# Altium PCB MJVESC_MINI.PcbDoc (part 1 of 3) (continued)
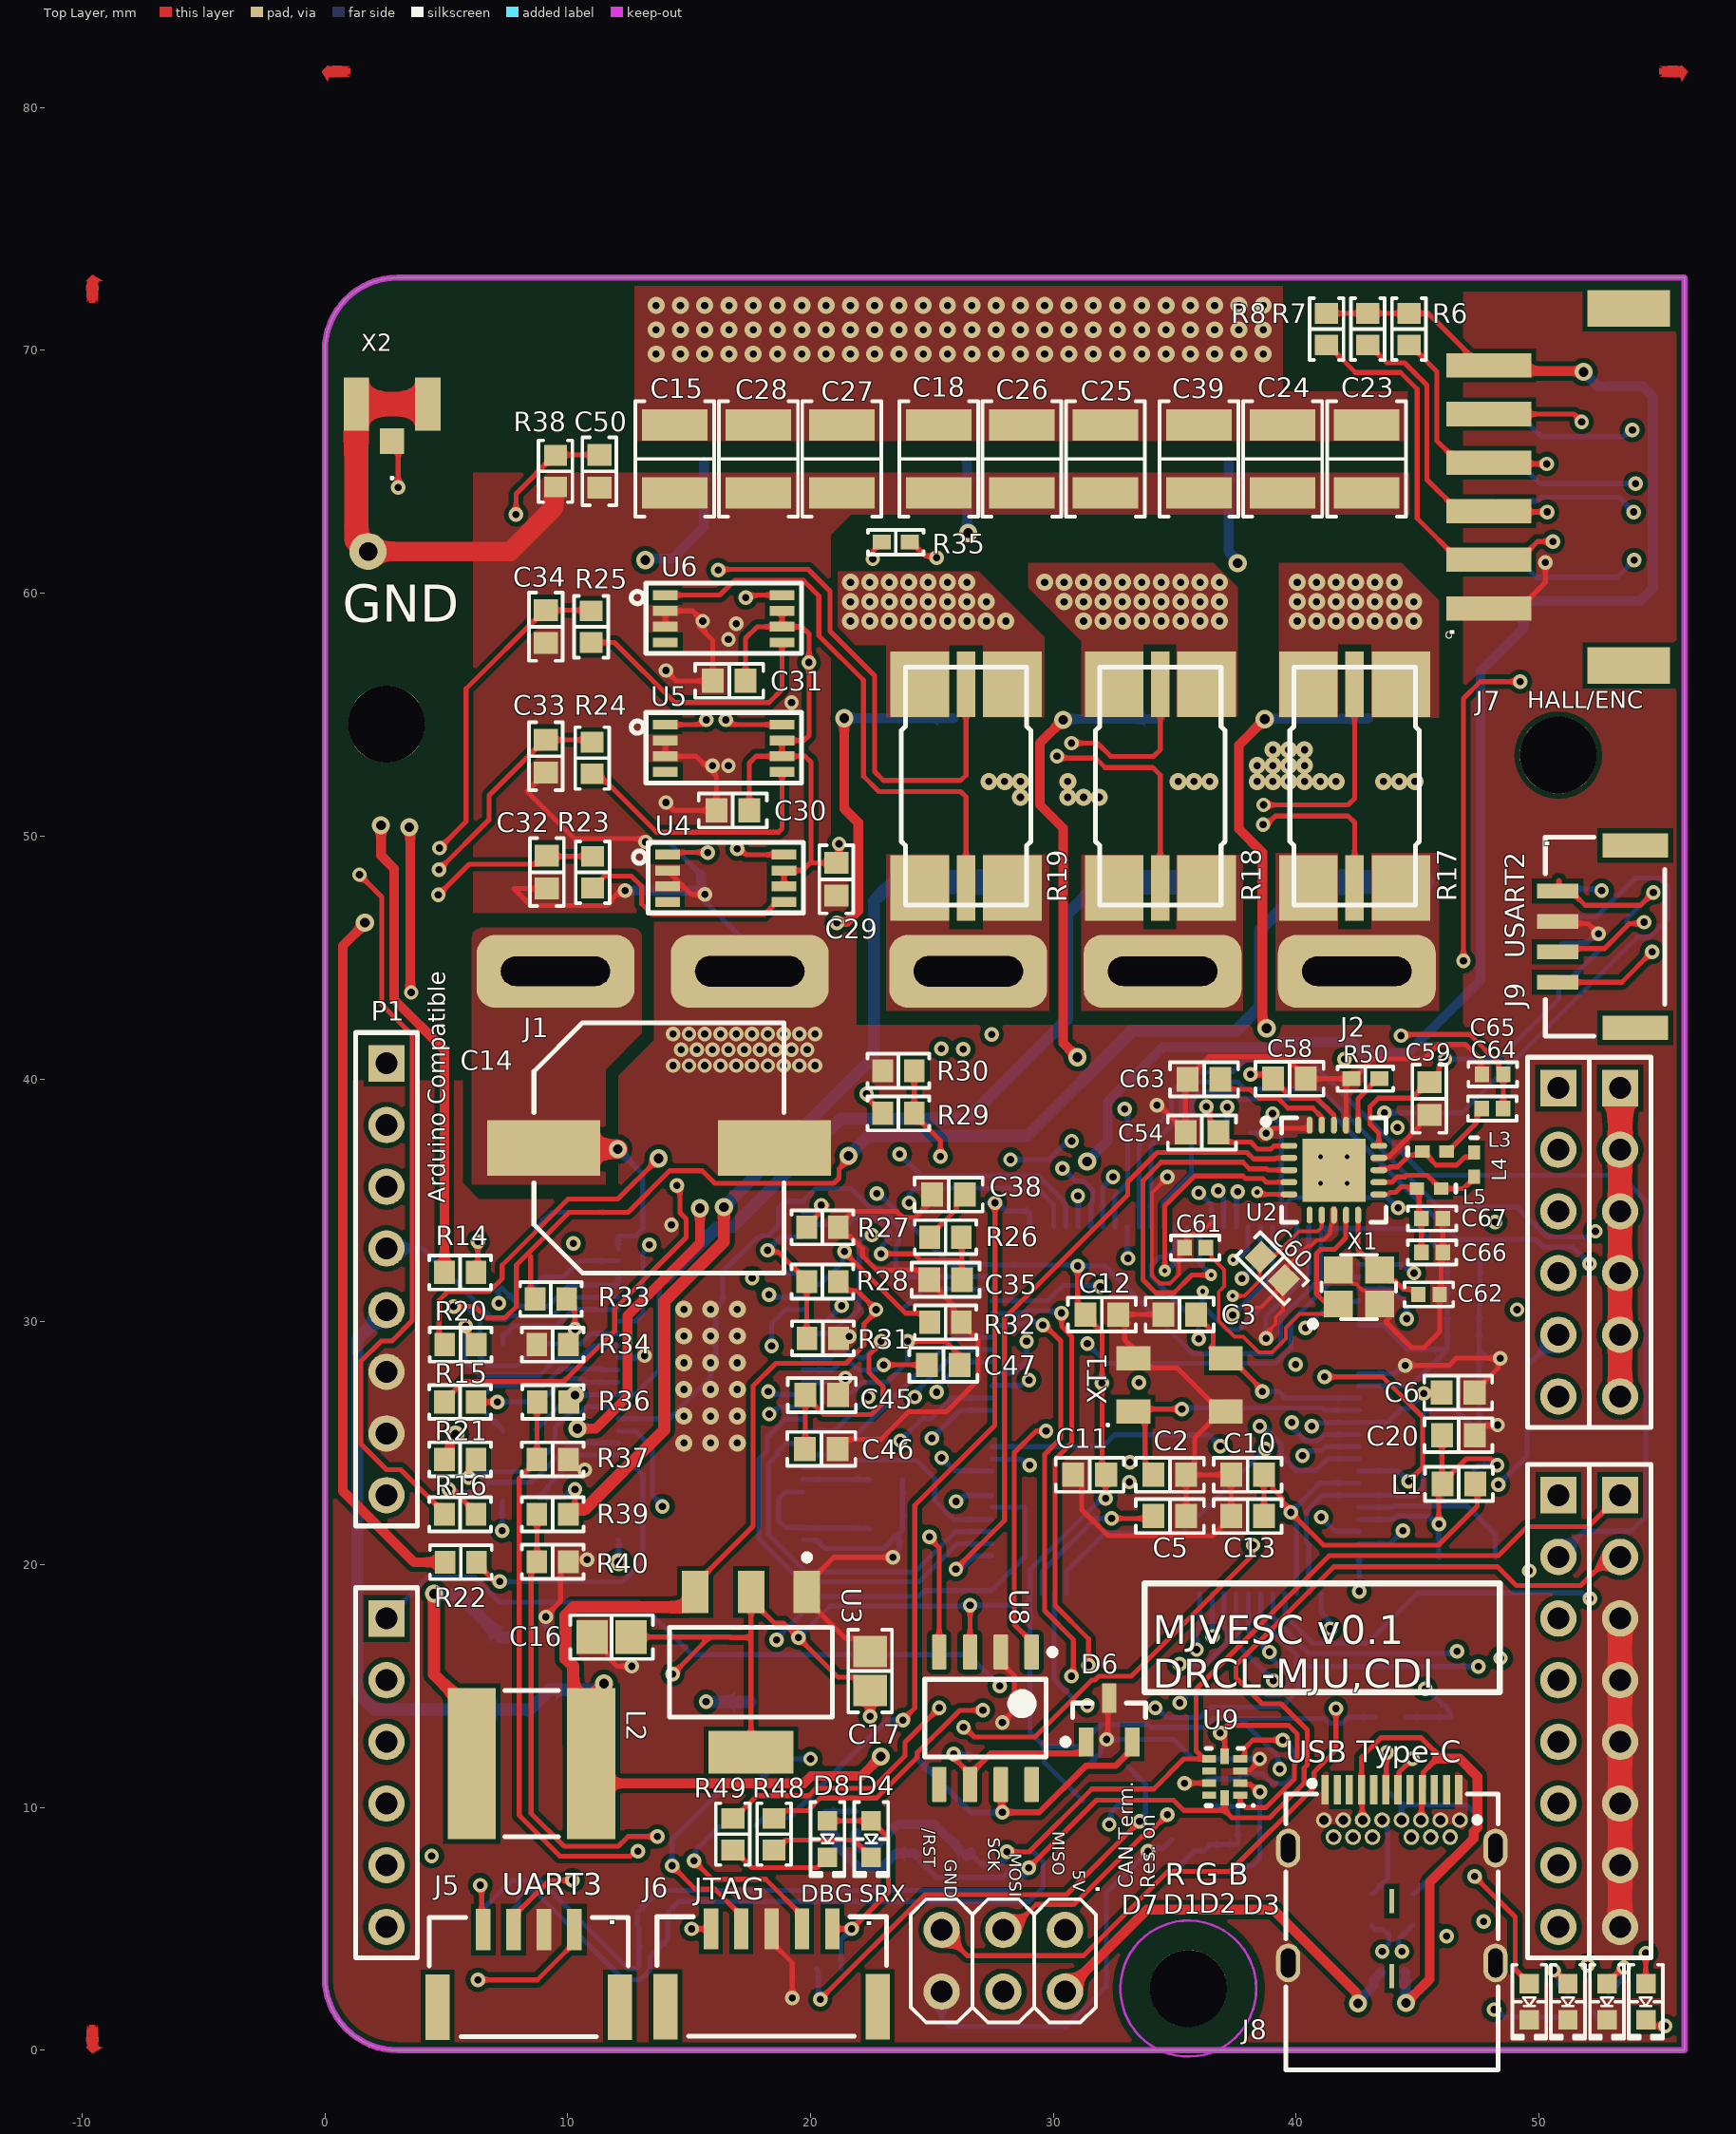
[diagram p0: Top Layer view]
## Components (designator, comment, footprint, x,y, rotation, side; value= is the part's Value field where it differs from the comment)
C1 "0.10µF" "CAP 0603/1608" 47.041,13.741 r180 bottom
C2 "10pF" "CAP 0603/1608" 34.8,23.7 r0 top
C3 "10pF" "CAP 0603/1608" 35.2,30.3 r180 top
C4 "2.2µF" "CAP 0603/1608" 23.9,31.3 r270 bottom
C5 "2.2µF" "CAP 0603/1608" 34.8,22 r180 top
C6 "0.10µF" "CAP 0603/1608" 46.674,27.082 r180 top
C7 "0.10µF" "CAP 0603/1608" 46.903,32.594 r180 bottom
C8 "0.10µF" "CAP 0603/1608" 46.903,30.663 r180 bottom
C9 "0.10µF" "CAP 0603/1608" 46.863,28.86 r180 bottom
C10 "0.10µF" "CAP 0603/1608" 38,23.7 r0 top
C11 "0.10µF" "CAP 0603/1608" 31.5,23.7 r180 top
C12 "0.10µF" "CAP 0603/1608" 32,30.3 r0 top
C13 "0.10µF" "CAP 0603/1608" 38,22 r180 top
C14 "EEE-FK1J101P" "CAP ALUM 10.3MM" 13.76,37.16 r0 top value=100uF
C15 "4.7uF_100V" "CAP 1210/3225 - 2.0MM" 14.409,65.529 r90 top
C16 "4.7uF" "CAP 0805/2012" 11.811,17.018 r0 top
C17 "4.7uF" "CAP 0805/2012" 22.454,15.621 r270 top
C18 "4.7uF_100V" "CAP 1210/3225 - 2.0MM" 25.285,65.529 r90 top
C19 "1uF" CAPMP3217X18-T_V 45.9,19 r270 bottom
C20 "0.10µF" "CAP 0603/1608" 46.689,25.329 r0 top
C21 "1uF" CAPMP3217X18-T_V 48.2,19 r270 bottom
C22 "0.10µF" "CAP 0603/1608" 46.66,25.578 r0 bottom
C23 "4.7uF_100V" "CAP 1210/3225 - 2.0MM" 42.9,65.529 r90 top
C24 "4.7uF_100V" "CAP 1210/3225 - 2.0MM" 39.446,65.529 r90 top
C25 "4.7uF_100V" "CAP 1210/3225 - 2.0MM" 32.145,65.529 r90 top
C26 "4.7uF_100V" "CAP 1210/3225 - 2.0MM" 28.702,65.529 r90 top
C27 "4.7uF_100V" "CAP 1210/3225 - 2.0MM" 21.285,65.529 r90 top
C28 "4.7uF_100V" "CAP 1210/3225 - 2.0MM" 17.856,65.529 r90 top
C29 "2.2µF" "CAP 0603/1608" 21.062,48.22 r90 top
C30 "2.2µF" "CAP 0603/1608" 16.8,51.06 r0 top
C31 "2.2µF" "CAP 0603/1608" 16.654,56.394 r0 top
C32 "4.7nF" "CAP 0603/1608" 9.143,48.514 r270 top
C33 "4.7nF" "CAP 0603/1608" 9.1,53.289 r270 top
C34 "4.7nF" "CAP 0603/1608" 9.1,58.623 r270 top
C35 "120pF" "CAP 0603/1608" 25.562,31.732 r180 top
C36 "15nF" "CAP 0603/1608" 8.001,33.782 r0 bottom
C37 "4.7uF_100V" "CAP 1210/3225 - 2.0MM" 8.712,37.084 r0 bottom
C38 "6.8nF" "CAP 0603/1608" 25.689,35.237 r180 top
C39 "4.7uF_100V" "CAP 1210/3225 - 2.0MM" 36,65.529 r90 top
C40 "0.10µF" "CAP 0603/1608" 7.956,31.452 r0 bottom
C41 "TAJC107K016RNJ" AVX-TAJ-C-2_M 8.3,11.2 r270 bottom
C42 "2.2µF" "CAP 0603/1608" 11.8,10.2 r90 bottom
C43 "220nF" "CAP 0603/1608" 8,29 r180 bottom
C44 "220nF" "CAP 0603/1608" 8,25.5 r180 bottom
C45 "2.2µF" "CAP 0603/1608" 20.468,26.982 r180 top
C46 "2.2µF" "CAP 0603/1608" 20.447,24.765 r180 top
C47 "0.022µF" "CAP 0603/1608" 25.475,28.226 r0 top
C48 "220nF" "CAP 0603/1608" 7.996,22.588 r180 bottom
C49 "2.2µF" "CAP 0603/1608" 23.114,23.495 r180 bottom
C50 "2.2µF" "CAP 0603/1608" 11.303,65.024 r90 top
C51 "2.2µF" "CAP 0603/1608" 23.114,21.463 r180 bottom
C52 "4.7uF_100V" "CAP 1210/3225 - 2.0MM" 18.923,14.351 r180 bottom
C53 "100pF" "CAP 0402/1005" 20.6,9.4 r270 bottom
C54 "0.1uF" "CAP 0603/1608" 36.119,37.795 r0 top
C55 "4.7nF" "CAP 0603/1608" 34.883,8.001 r90 bottom
C56 "2.2µF" "CAP 0603/1608" 31.27,10.947 r270 bottom
C57 "100pF" "CAP 0402/1005" 21.9,9.4 r90 bottom
C58 "0.1uF" "CAP 0603/1608" 39.73,40.009 r0 top
C59 "0.1uF" "CAP 0603/1608" 45.487,39.186 r270 top
C60 "0.1uF" "CAP 0603/1608" 39.014,32.195 r315 top
C61 "15pF" "CAP 0402/1005" 35.844,33.045 r180 top
C62 "15pF" "CAP 0402/1005" 45.471,31.124 r0 top
C63 "0.1uF" "CAP 0603/1608" 36.21,39.984 r180 top
C64 "1.5pF" "CAP 0402/1005" 48.078,38.784 r180 top
C65 "1.0pF" "CAP 0402/1005" 48.095,40.189 r180 top
C66 "2.2nF" "CAP 0402/1005" 45.598,32.851 r180 top
C67 "4.7pF" "CAP 0402/1005" 45.598,34.255 r180 top
D1 "Red" "LED 0603/1608 RED" 51.192,2 r270 top
D2 "Green" "LED 0603/1608 GREEN" 52.8,2 r270 top
D3 "Blue" "LED 0603/1608 BLUE" 54.4,2 r270 top
D4 "Blue" "LED 0603/1608 BLUE" 22.5,8.7 r270 top
D5 "Rectifier Diode" DIOM2717X10N 8.65,17 r0 bottom
D6 "Bidirectional Symmetric TVS" SOT23-3L 32.3,13.6 r90 top
D7 "Red" "LED 0603/1608 RED" 49.6,2 r270 top
D8 "Green" "LED 0603/1608 GREEN" 20.7,8.7 r270 top
GND "TESTPOINT" TestPin 1.778,61.722 r90 top
J1 "POWER" "PowerPole_2Pin - mirror" 9.5,44.434 r0 top
J2 "MOTOR" PowerPole_3Pin 27,44.434 r0 top
J3 "CAN" "JST SM02B-GHS-TB" 7,3.25 r0 bottom
J4 "CAN" "JST SM02B-GHS-TB" 13.5,3.25 r0 bottom
J5 "USART3" "JST SM04B-GHS-TB" 8.4,3.1 r180 top
J6 "JTAG/SWD" "JST SM05B-GHS-TB" 18.4,3.125 r180 top
J7 "HALL/ENC" JST_S6B-PH-SM4-TB 47.941,64.379 r270 top
J8 "USB Type-C" 632723300011 43.942,5.093 r0 top
J9 "USART2" "JST SM04B-GHS-TB" 52.64,45.86 r270 top
J10 "I2C/UART3" "JST SM04B-GHS-TB" 52.684,46.051 r90 bottom
J11 "HW SPI" JST_S6B-PH-SM4-TB 47.9,64.4 r90 bottom
L1 "Ferrite Beads 600ohm" "FER 0603/1608" 46.7,23.323 r0 top value=10mH
L2 "22uH" INDC6060X28N 8.509,11.811 r0 top
L3 "3.9nH" 0402-A 45.692,37.008 r0 top
L4 "8.2nH" 0402-A 47.333,36.473 r270 top
L5 "2.7nH" 0402-A 45.471,35.484 r180 top
P1 "arduino_icsp_added_samtec_v0.3" arduino_ICSP_Added_SAMTEC_v0.3 0,68.58 r0 top locked
Q1 "AUIRF7749L2TR" TRANS_IRL7472L1TRPBF 39.471,65.4 r0 bottom
Q2 "AUIRF7749L2TR" TRANS_IRL7472L1TRPBF 28.667,65.4 r0 bottom
Q3 "AUIRF7749L2TR" TRANS_IRL7472L1TRPBF 17.863,65.4 r0 bottom
Q4 "AUIRF7749L2TR" TRANS_IRL7472L1TRPBF 42.976,52.606 r270 bottom
Q5 "AUIRF7749L2TR" TRANS_IRL7472L1TRPBF 34.407,52.606 r270 bottom
Q6 "AUIRF7749L2TR" TRANS_IRL7472L1TRPBF 25.898,52.606 r270 bottom
R1 "220R" "RES 0603/1608" 51.2,1.7 r90 bottom
R2 "220R" "RES 0603/1608" 52.8,1.7 r90 bottom
R3 "10K" "RES 0603/1608" 43.891,13.726 r0 bottom
R4 "22R" "RES 0603/1608" 17.1,9.2 r0 bottom
R5 "22R" "RES 0603/1608" 17.1,10.9 r0 bottom
R6 "2k2" "RES 0603/1608" 44.65,70.876 r90 top
R7 "2k2" "RES 0603/1608" 42.95,70.876 r90 top
R8 "2k2" "RES 0603/1608" 41.25,70.876 r90 top
R9 "47K" "RES 0603/1608" 37.49,37.795 r180 bottom
R10 "22R" "RES 0603/1608" 43.1,5.8 r90 bottom
R11 "22R" "RES 0603/1608" 44.8,5.8 r90 bottom
R12 "1k" "RES 0603/1608" 54.4,1.7 r90 bottom
R13 "47R" "RES 0603/1608" 46.649,23.882 r180 bottom
R14 "4.7R" "RES 0603/1608" 5.573,32.029 r0 top
R15 "4.7R" "RES 0603/1608" 5.573,26.695 r0 top
R16 "4.7R" "RES 0603/1608" 5.573,22.073 r0 top
R17 "0.0005R" LRMAP3920B 42.408,52.062 r90 top
R18 "0.0005R" LRMAP3920B 34.407,52.062 r90 top
R19 "0.0005R" LRMAP3920B 26.406,52.062 r90 top
R20 "4.7R" "RES 0603/1608" 5.588,29.058 r0 top
R21 "4.7R" "RES 0603/1608" 5.573,24.333 r0 top
R22 "4.7R" "RES 0603/1608" 5.6,20.1 r0 top
R23 "100R" "RES 0603/1608" 11.029,48.514 r90 top
R24 "100R" "RES 0603/1608" 11.011,53.213 r90 top
R25 "100R" "RES 0603/1608" 10.969,58.623 r90 top
R26 "15k" "RES 0603/1608" 25.562,33.484 r180 top
R27 "220k" "RES 0603/1608" 20.493,33.891 r0 top
R28 "18k" "RES 0603/1608" 20.493,31.655 r180 top
R29 "39k" "RES 0603/1608" 23.622,38.583 r180 top
R30 "2k2" "RES 0603/1608" 23.622,40.335 r180 top
R31 "3.3k" "RES 0603/1608" 20.508,29.319 r0 top
R32 "10K" "RES 0603/1608" 25.562,29.979 r0 top
R33 "39k" "RES 0603/1608" 9.311,30.936 r180 top
R34 "2k2" "RES 0603/1608" 9.383,29.058 r180 top
R35 "NTC 10k" "RES 0402/1005" 23.513,62.103 r180 top
R36 "39k" "RES 0603/1608" 9.398,26.695 r0 top
R37 "2k2" "RES 0603/1608" 9.383,24.333 r0 top
R38 "10K" "RES 0603/1608" 9.499,65.024 r270 top
R39 "39k" "RES 0603/1608" 9.383,22.073 r0 top
R40 "2k2" "RES 0603/1608" 9.383,20.117 r0 top
R41 "120R" "RES 0402/1005" 37.6,7.9 r90 bottom
R42 "120R" "RES 0402/1005" 37.6,10.6 r90 bottom
R43 "1k" "RES 0603/1608" 33.02,11.034 r270 bottom
R44 "120R" "RES 0402/1005" 36.4,7.9 r90 bottom
R45 "120R" "RES 0402/1005" 36.383,10.6 r90 bottom
R48 "1k" "RES 0603/1608" 18.5,8.9 r90 top
R49 "1k" "RES 0603/1608" 16.8,8.9 r90 top
R50 "22K" "RES 0402/1005" 42.854,40.009 r0 top
S2 "SSAJ120100" SSAJ120100 20.25,2 r270 bottom
S3 "SSAJ120100" SSAJ120100 43.475,1.875 r270 bottom
T1 "Common Mode Choke" SRF4532-101Y 25.5,10.1 r270 bottom
U1 "STM32F407VGT6" STM-LQFP100_N 35.028,26.359 r180 bottom locked
U2 "NRF24L01P-T" NRSC-QFN-20_L 41.554,36.246 r0 top
U3 "3.3V" SOT-223-2 17.551,15.57 r180 top
U4 "AD8418BRMZ" MSOP-8L 16.51,48.26 r0 top
U5 "AD8418BRMZ" MSOP-8L 16.425,53.614 r0 top
U6 "AD8418BRMZ" MSOP-8L 16.425,58.948 r0 top
U7 "DRV8301" TSSOP50P810X120_HS-57N 15.885,27.762 r180 bottom
U8 "TCAN332GDR" D0008A_N 27.205,13.675 r270 top
U9 "TS5A23159" RSE10 37.06,11.25 r180 top
X1 "16MHz" BT-XTAL_2520 42.59,31.431 r0 top
X2 "50ohm, U.FL" uFL_SMT 2.77,67.793 r0 top
XT1 "8 MHz" DFN220P320X110-4N 35.2,27.4 r0 top

## Footprints (in the part's own frame and the unit in brackets; to place one, negate y for a bottom-side part, rotate by r counter-clockwise, add the part's x,y. Pads: shape width x height; smd on the part's side, far side on the other; paste and mask are expansions set on the pad)
0402-A [mm] "Chip Inductor, Body 1.0x0.5mm, IPC High Density"
  rect 0.6x0.5 smd: 1(-0.5,0) 2(0.5,0)
  silkscreen extent -1.1,-0.15 -1.1,0.15, body extent -0.55,-0.3 0.55,0.3, height 0.55
632723300011 [mm] "USB 3.1 Type C Receptacle Horizontal THR"
  rect 0.3x1.2 smd: A1(-2.75,5.635) A2(-2.25,5.635) A3(-1.75,5.635) A4(-1.25,5.635) A5(-0.75,5.635) A6(-0.25,5.635) A7(0.25,5.635) A8(0.75,5.635) A9(1.25,5.635) A10(1.75,5.635) A11(2.25,5.635) A12(2.75,5.635)
  round 0.65 hole 0.4: B1(2.8,4.385) B2(2.4,3.685) B3(1.6,3.685) B4(1.2,4.385) B5(0.8,3.685) B6(0.4,4.385) B7(-0.4,4.385) B8(-0.8,3.685) B9(-1.2,4.385) B10(-1.6,3.685) B11(-2.4,3.685) B12(-2.8,4.385) Shell(-2,4.385) Shell(2,4.385)
  oval 1x1.6 hole 0.6 slot 1.2 at 90 deg: Shell(-4.27,-1.495) Shell(-4.27,3.235) Shell(4.27,-1.495) Shell(4.27,3.235)
  rect 0.2x1 smd: ""(0,-2.045) ""(0,1.055)
  silkscreen extent -4.37,-5.89 4.37,6.01, body extent -4.37,-5.9 4.37,5.9, height 3.05
arduino_ICSP_Added_SAMTEC_v0.3 [mm]
  rect 1.5x1.5 hole 0.9: 0(2.54,-27.94) 8(2.54,-50.8) 21(50.8,-45.72) 27(50.8,-28.956) 28(53.34,-28.956) 34(53.34,-45.72)
  round 1.5 hole 0.9: 1(2.54,-30.48) 2(2.54,-33.02) 3(2.54,-35.56) 4(2.54,-38.1) 5(2.54,-40.64) 6(2.54,-43.18) 7(2.54,-45.72) 9(2.54,-53.34) 10(2.54,-55.88) 11(2.54,-58.42) 12(2.54,-60.96) 13(2.54,-63.5) 14(50.8,-63.5) 15(50.8,-60.96) 16(50.8,-58.42) 17(50.8,-55.88) 18(50.8,-53.34) 19(50.8,-50.8) 20(50.8,-48.26) 22(50.8,-41.656) 23(50.8,-39.116) 24(50.8,-36.576) 25(50.8,-34.036) 26(50.8,-31.496) 29(53.34,-31.496) 30(53.34,-34.036) 31(53.34,-36.576) 32(53.34,-39.116) 33(53.34,-41.656) 35(53.34,-48.26) 36(53.34,-50.8) 37(53.34,-53.34) 38(53.34,-55.88) 39(53.34,-58.42) 40(53.34,-60.96) 41(53.34,-63.5) 50(30.48,-63.627) 51(30.48,-66.167) 52(27.94,-63.627) 53(27.94,-66.167) 54(25.4,-63.627) 55(25.4,-66.167)
  round 3.175 hole 3.175 unplated: 100(2.54,-13.97) 100(35.56,-66.04) 100(50.8,-15.242)
  silkscreen extent 1.27,-67.44 54.61,-26.67, body extent 1.27,-67.44 54.61,-26.42, height 11.05
AVX-TAJ-C-2_M [mm] "Molded Capacitor, 2-Leads, Body 6.2x3.4mm, IPC Low Density"
  rect 2.85x2.45 smd: 1(-2.475,0) 2(2.475,0)
  silkscreen extent -4.4,-1.7 3.1,1.7, body extent -3.32,-1.7 3.32,1.7, height 2.8
BT-XTAL_2520 [mm]
  rect 1.2x1.1 smd: 1(-0.85,-0.7) 2(0.85,-0.7) 3(0.85,0.7) 4(-0.85,0.7)
  silkscreen extent -2.03,-1.65 1.53,1.32, body extent -1.25,-1 1.27,1, height 0.56
"CAP 0402/1005" [mm]
  rect 0.6x0.64 smd: 1(-0.44,0) 2(0.44,0)
  silkscreen extent -1,-0.5 1,0.5, body extent -0.5,-0.26 0.5,0.26, height 0.52
"CAP 0603/1608" [mm]
  rect 0.9x1 smd: 1(-0.675,0) 2(0.675,0)
  silkscreen extent -1.4,-0.7 1.4,0.7, body extent -0.8,-0.41 0.8,0.41, height 0.82
"CAP 0805/2012" [mm]
  rect 1.3x1.4 smd: 1(-0.8,0) 2(0.8,0)
  silkscreen extent -1.7,-0.9 1.7,0.9, body extent -1,-0.64 1,0.64, height 1.26
"CAP 1210/3225 - 2.0MM" [mm]
  rect 1.3x2.7 smd: 1(-1.4,0) 2(1.4,0)
  silkscreen extent -2.37,-1.63 2.38,1.62, body extent -1.6,-1.25 1.6,1.25, height 2
"CAP ALUM 10.3MM" [mm]
  rect 4.65x2.3 smd: 1(-4.75,0) 2(4.75,0)
  silkscreen extent -5.15,-5.15 5.15,5.15, body extent -5.8,-5.15 5.8,5.15, height 10.5
CAPMP3217X18-T_V [mm] "Molded Capacitor, 2-Leads, Body 3.40x1.8mm"
  rect 1.4x1.8 smd: 1(-1.3,0) 2(1.3,0)
  silkscreen extent -2.45,-0.9 0.2,0.95, body extent -1.92,-0.9 1.92,0.9, height 1.8
D0008A_N [mm]
  rrect17% 1.45x0.6 smd: 1(-2.725,1.905) 2(-2.725,0.635) 3(-2.725,-0.635) 4(-2.725,-1.905) 5(2.725,-1.905) 6(2.725,-0.635) 7(2.725,0.635) 8(2.725,1.905)
  silkscreen extent -2.85,-2.5 1.6,2.88, body extent -3,-2.45 3,2.45, height 1.63
DFN220P320X110-4N [mm]
  rect 1.4x1 smd: 1(-1.9,-1.1) 3(1.9,1.1) G(-1.9,1.1) G(1.9,-1.1)
  silkscreen extent -3,-1.7 -2.9,-1.6, body extent -2.55,-1.65 2.55,1.65, height 1.1
DIOM2717X10N [mm]
  rect 1.7x1 smd: A(1.05,0) K(-1.05,0)
  silkscreen extent -1.9,-0.95 1.45,0.95, body extent -1.45,-0.9 1.45,0.9, height 1
"FER 0603/1608" [mm]
  rect 0.9x1 smd: 1(-0.675,0) 2(0.675,0)
  silkscreen extent -1.4,-0.7 1.4,0.7, body extent -0.8,-0.41 0.8,0.41, height 0.82
INDC6060X28N [mm]
  rect 1.98x6.22 smd: 1(-2.46,0) 2(2.46,0)
  silkscreen extent -1.1,-3.01 1.1,3.01, body extent -3.1,-3.1 3.1,3.1, height 2.8
"JST SM02B-GHS-TB" [mm]
  rect 0.6x1.7 smd: 1(-0.625,-1.875) 2(0.625,-1.875)
  rect 1x2.7 smd: M(-2.5,1.325) M(2.5,1.325)
  silkscreen extent -2.85,-2.38 2.85,2.54, body extent -2.87,-2.31 2.87,2.54, height 4.35
"JST SM04B-GHS-TB" [mm]
  rect 0.6x1.7 smd: 1(-1.875,-1.875) 2(-0.625,-1.875) 3(0.625,-1.875) 4(1.875,-1.875)
  rect 1x2.7 smd: M(-3.75,1.325) M(3.75,1.325)
  silkscreen extent -4.1,-2.38 4.1,2.54, body extent -4.12,-2.31 4.13,2.54, height 4.35
"JST SM05B-GHS-TB" [mm]
  rect 0.6x1.7 smd: 1(-2.5,-1.875) 2(-1.25,-1.875) 3(0,-1.875) 4(1.25,-1.875) 5(2.5,-1.875)
  rect 1x2.7 smd: M(-4.375,1.325) M(4.375,1.325)
  silkscreen extent -4.72,-2.37 4.72,2.54, body extent -4.75,-2.31 4.75,2.54, height 4.35
JST_S6B-PH-SM4-TB [mm]
  rect 1x3.5 smd: 1(5,0) 2(3,0) 3(1,0) 4(-1,0) 5(-3,0) 6(-5,0)
  rect 1.5x3.4 smd: P1(7.35,5.75) P2(-7.35,5.75)
  silkscreen extent 5.97,-1.78 6.22,-1.52, body extent -7.95,-1.35 7.95,7.25, height 4.8
"LED 0603/1608 BLUE" [mm]
  rect 0.8x0.8 smd: 1(-0.75,0) 2(0.75,0)
  silkscreen extent -1.52,-0.7 1.52,0.7, body extent -0.8,-0.4 0.8,0.4, height 0.53
"LED 0603/1608 GREEN" [mm]
  rect 0.8x0.8 smd: 1(-0.75,0) 2(0.75,0)
  silkscreen extent -1.52,-0.7 1.52,0.7, body extent -0.8,-0.4 0.8,0.4, height 0.53
"LED 0603/1608 RED" [mm]
  rect 0.8x0.8 smd: 1(-0.75,0) 2(0.75,0)
  silkscreen extent -1.52,-0.7 1.52,0.7, body extent -0.8,-0.4 0.8,0.4, height 0.53
LRMAP3920B [mil]
  rect 106.3x95 smd: 1(-165,-75) 1(-165,75) 2(165,-75) 2(165,75)
  rect 106.3x30 smd: 3(-165,0) 4(165,0)
  silkscreen extent -193,-105 193,105, body extent -195,-100 195,100, height 55
MSOP-8L [mm] "MSOP-8L, 8-Leads, Body 5x3mm, Pitch 0.5mm"
  rect 1.016x0.406 smd: 1(-2.4,0.975) 2(-2.4,0.325) 3(-2.4,-0.325) 4(-2.4,-0.975) 5(2.4,-0.975) 6(2.4,-0.325) 7(2.4,0.325) 8(2.4,0.975)
  silkscreen extent -3.81,-1.43 3.2,1.47, body extent -2.35,-1.53 2.55,1.48, height 0.94
NRSC-QFN-20_L [mm]
  oval 0.7x0.25 smd: 1(-1.85,1) 2(-1.85,0.5) 3(-1.85,0) 4(-1.85,-0.5) 5(-1.85,-1) 11(1.85,-1) 12(1.85,-0.5) 13(1.85,0) 14(1.85,0.5) 15(1.85,1)
  oval 0.25x0.7 smd: 6(-1,-1.85) 7(-0.5,-1.85) 8(0,-1.85) 9(0.5,-1.85) 10(1,-1.85) 16(1,1.85) 17(0.5,1.85) 18(0,1.85) 19(-0.5,1.85) 20(-1,1.85)
  rect 2.6x2.6 smd: 21(0,0)
  silkscreen extent -2.92,-2.15 2.15,2.15, body extent -2,-2 2,2, height 0.95
"PowerPole_2Pin - mirror" [mm]
  rrect50% 6.5x3 hole 1.2 slot 4.5 at 0 deg: 1(0,0)
  rrect50% 6.5x3 hole 1.25 slot 4.5 at 0 deg: 2(8,0)
  body extent -3.96,-0.51 12.46,28.24, height 10.64
PowerPole_3Pin [mm]
  rrect50% 6.5x3 hole 1.2 slot 4.5 at 0 deg: 1(15.5,0) 2(7.5,0)
  rrect50% 6.5x3 hole 1.25 slot 4.5 at 0 deg: 3(-0.5,0)
  body extent -3.96,-0.51 20.47,28.24, height 10.64
"RES 0402/1005" [mm]
  rect 0.75x0.6 smd: 1(-0.575,0) 2(0.575,0)
  silkscreen extent -1.14,-0.51 1.14,0.51, body extent -0.5,-0.25 0.5,0.25, height 0.35
"RES 0603/1608" [mm]
  rect 0.85x0.95 smd: 1(-0.65,0) 2(0.65,0)
  silkscreen extent -1.27,-0.7 1.27,0.7, body extent -0.8,-0.4 0.8,0.4, height 0.45
RSE10 [mm]
  rect 0.58x0.3 smd paste-0.025 mask+0.05: 1(-0.64,0.75) 2(-0.64,0.25) 3(-0.64,-0.25) 4(-0.64,-0.75) 6(0.64,-0.75) 7(0.64,-0.25) 8(0.64,0.25) 9(0.64,0.75)
  rect 0.35x0.63 smd paste-0.025 mask+0.05: 5(0,-0.86) 10(0,0.86)
  silkscreen extent -1.23,-1.18 0.78,1.22, body extent -0.77,-1.02 0.78,1.03, height 0.6
SOT23-3L [mm]
  rect 1.2x0.6 smd: 1(-0.9,0.95) 2(-0.9,-0.95) 3(0.9,0)
  silkscreen extent -1.02,-1.5 0.7,1.92, body extent -0.7,-1.5 0.7,1.5, height 1.1
SOT-223-2 [mm]
  rect 1.1x1.75 smd: 1(-2.3,-3.3) 2(0,-3.3) 3(2.3,-3.3)
  rect 3.5x1.75 smd: 4(0,3.3)
  silkscreen extent -3.35,-4.85 3.35,1.85, body extent -3.35,-3.7 3.35,3.5, height 1.85
SRF4532-101Y [mm]
  rect 1.25x1 smd: 1(-2.05,-1.125) 2(2.05,-1.125) 3(2.05,1.125) 4(-2.05,1.125)
  silkscreen extent -3.05,-1.73 -2.95,-1.63, body extent -2.35,-1.7 2.35,1.7, height 2.8
SSAJ120100 [mm]
  rect 0.6x0.51 smd: 1(-1.355,-1) 2(-1.355,1) C(-1.355,0)
  rect 0.7x0.9 smd: ""(0,-2.775) ""(0,2.775)
  silkscreen extent -1.78,-2.29 0.38,2.29, body extent -1.14,-2.29 1.27,2.29, height 0.6
STM-LQFP100_N [mm] "Thin QFP, 100-Leads, Body 14x14mm, Pitch 0.5mm, IPC Medium Density"
  oval 1.8x0.3 smd: 1(-7.55,6) 2(-7.55,5.5) 3(-7.55,5) 4(-7.55,4.5) 5(-7.55,4) 6(-7.55,3.5) 7(-7.55,3) 8(-7.55,2.5) 9(-7.55,2) 10(-7.55,1.5) 11(-7.55,1) 12(-7.55,0.5) 13(-7.55,0) 14(-7.55,-0.5) 15(-7.55,-1) 16(-7.55,-1.5) 17(-7.55,-2) 18(-7.55,-2.5) 19(-7.55,-3) 20(-7.55,-3.5) 21(-7.55,-4) 22(-7.55,-4.5) 23(-7.55,-5) 24(-7.55,-5.5) 25(-7.55,-6) 51(7.55,-6) 52(7.55,-5.5) 53(7.55,-5) 54(7.55,-4.5) 55(7.55,-4) 56(7.55,-3.5) 57(7.55,-3) 58(7.55,-2.5) 59(7.55,-2) 60(7.55,-1.5) 61(7.55,-1) 62(7.55,-0.5) 63(7.55,0) 64(7.55,0.5) 65(7.55,1) 66(7.55,1.5) 67(7.55,2) 68(7.55,2.5) 69(7.55,3) 70(7.55,3.5) 71(7.55,4) 72(7.55,4.5) 73(7.55,5) 74(7.55,5.5) 75(7.55,6)
  oval 0.3x1.8 smd: 26(-6,-7.55) 27(-5.5,-7.55) 28(-5,-7.55) 29(-4.5,-7.55) 30(-4,-7.55) 31(-3.5,-7.55) 32(-3,-7.55) 33(-2.5,-7.55) 34(-2,-7.55) 35(-1.5,-7.55) 36(-1,-7.55) 37(-0.5,-7.55) 38(0,-7.55) 39(0.5,-7.55) 40(1,-7.55) 41(1.5,-7.55) 42(2,-7.55) 43(2.5,-7.55) 44(3,-7.55) 45(3.5,-7.55) 46(4,-7.55) 47(4.5,-7.55) 48(5,-7.55) 49(5.5,-7.55) 50(6,-7.55) 76(6,7.55) 77(5.5,7.55) 78(5,7.55) 79(4.5,7.55) 80(4,7.55) 81(3.5,7.55) 82(3,7.55) 83(2.5,7.55) 84(2,7.55) 85(1.5,7.55) 86(1,7.55) 87(0.5,7.55) 88(0,7.55) 89(-0.5,7.55) 90(-1,7.55) 91(-1.5,7.55) 92(-2,7.55) 93(-2.5,7.55) 94(-3,7.55) 95(-3.5,7.55) 96(-4,7.55) 97(-4.5,7.55) 98(-5,7.55) 99(-5.5,7.55) 100(-6,7.55)
  silkscreen extent -7.68,-6.25 6.25,6.82, body extent -7,-7 7,7, height 1.6
TestPin [mil]
  round 60 hole 30: 1(0,0)
TRANS_IRL7472L1TRPBF [mm]
  rect 1.1x1.7 smd: 1(-4.5,2.2) 2(-4.5,0) 3(-4.5,-2.2) 4(4.5,-2.2) 5(4.5,0) 6(4.5,2.2)